# Altium PCB roach2.PcbDoc (part 29 of 39)
Units mil, origin at the board's own origin, x right, y up, seen from the top; angles counter-clockwise.
Board outline 12007.87 x 9606.3 mil, 16 copper layers (L1_TOP, L2_G, L3_S, L4_G, L5_S, L6_P, L7_G, L8_R, L9_R, L10_P, L11_P, L12_S, L13_P, L14_S, L15_G, L16_BOT), stack 81.651 mil thick; 1568 components, 1918 nets, 9251 pads, 6741 vias.
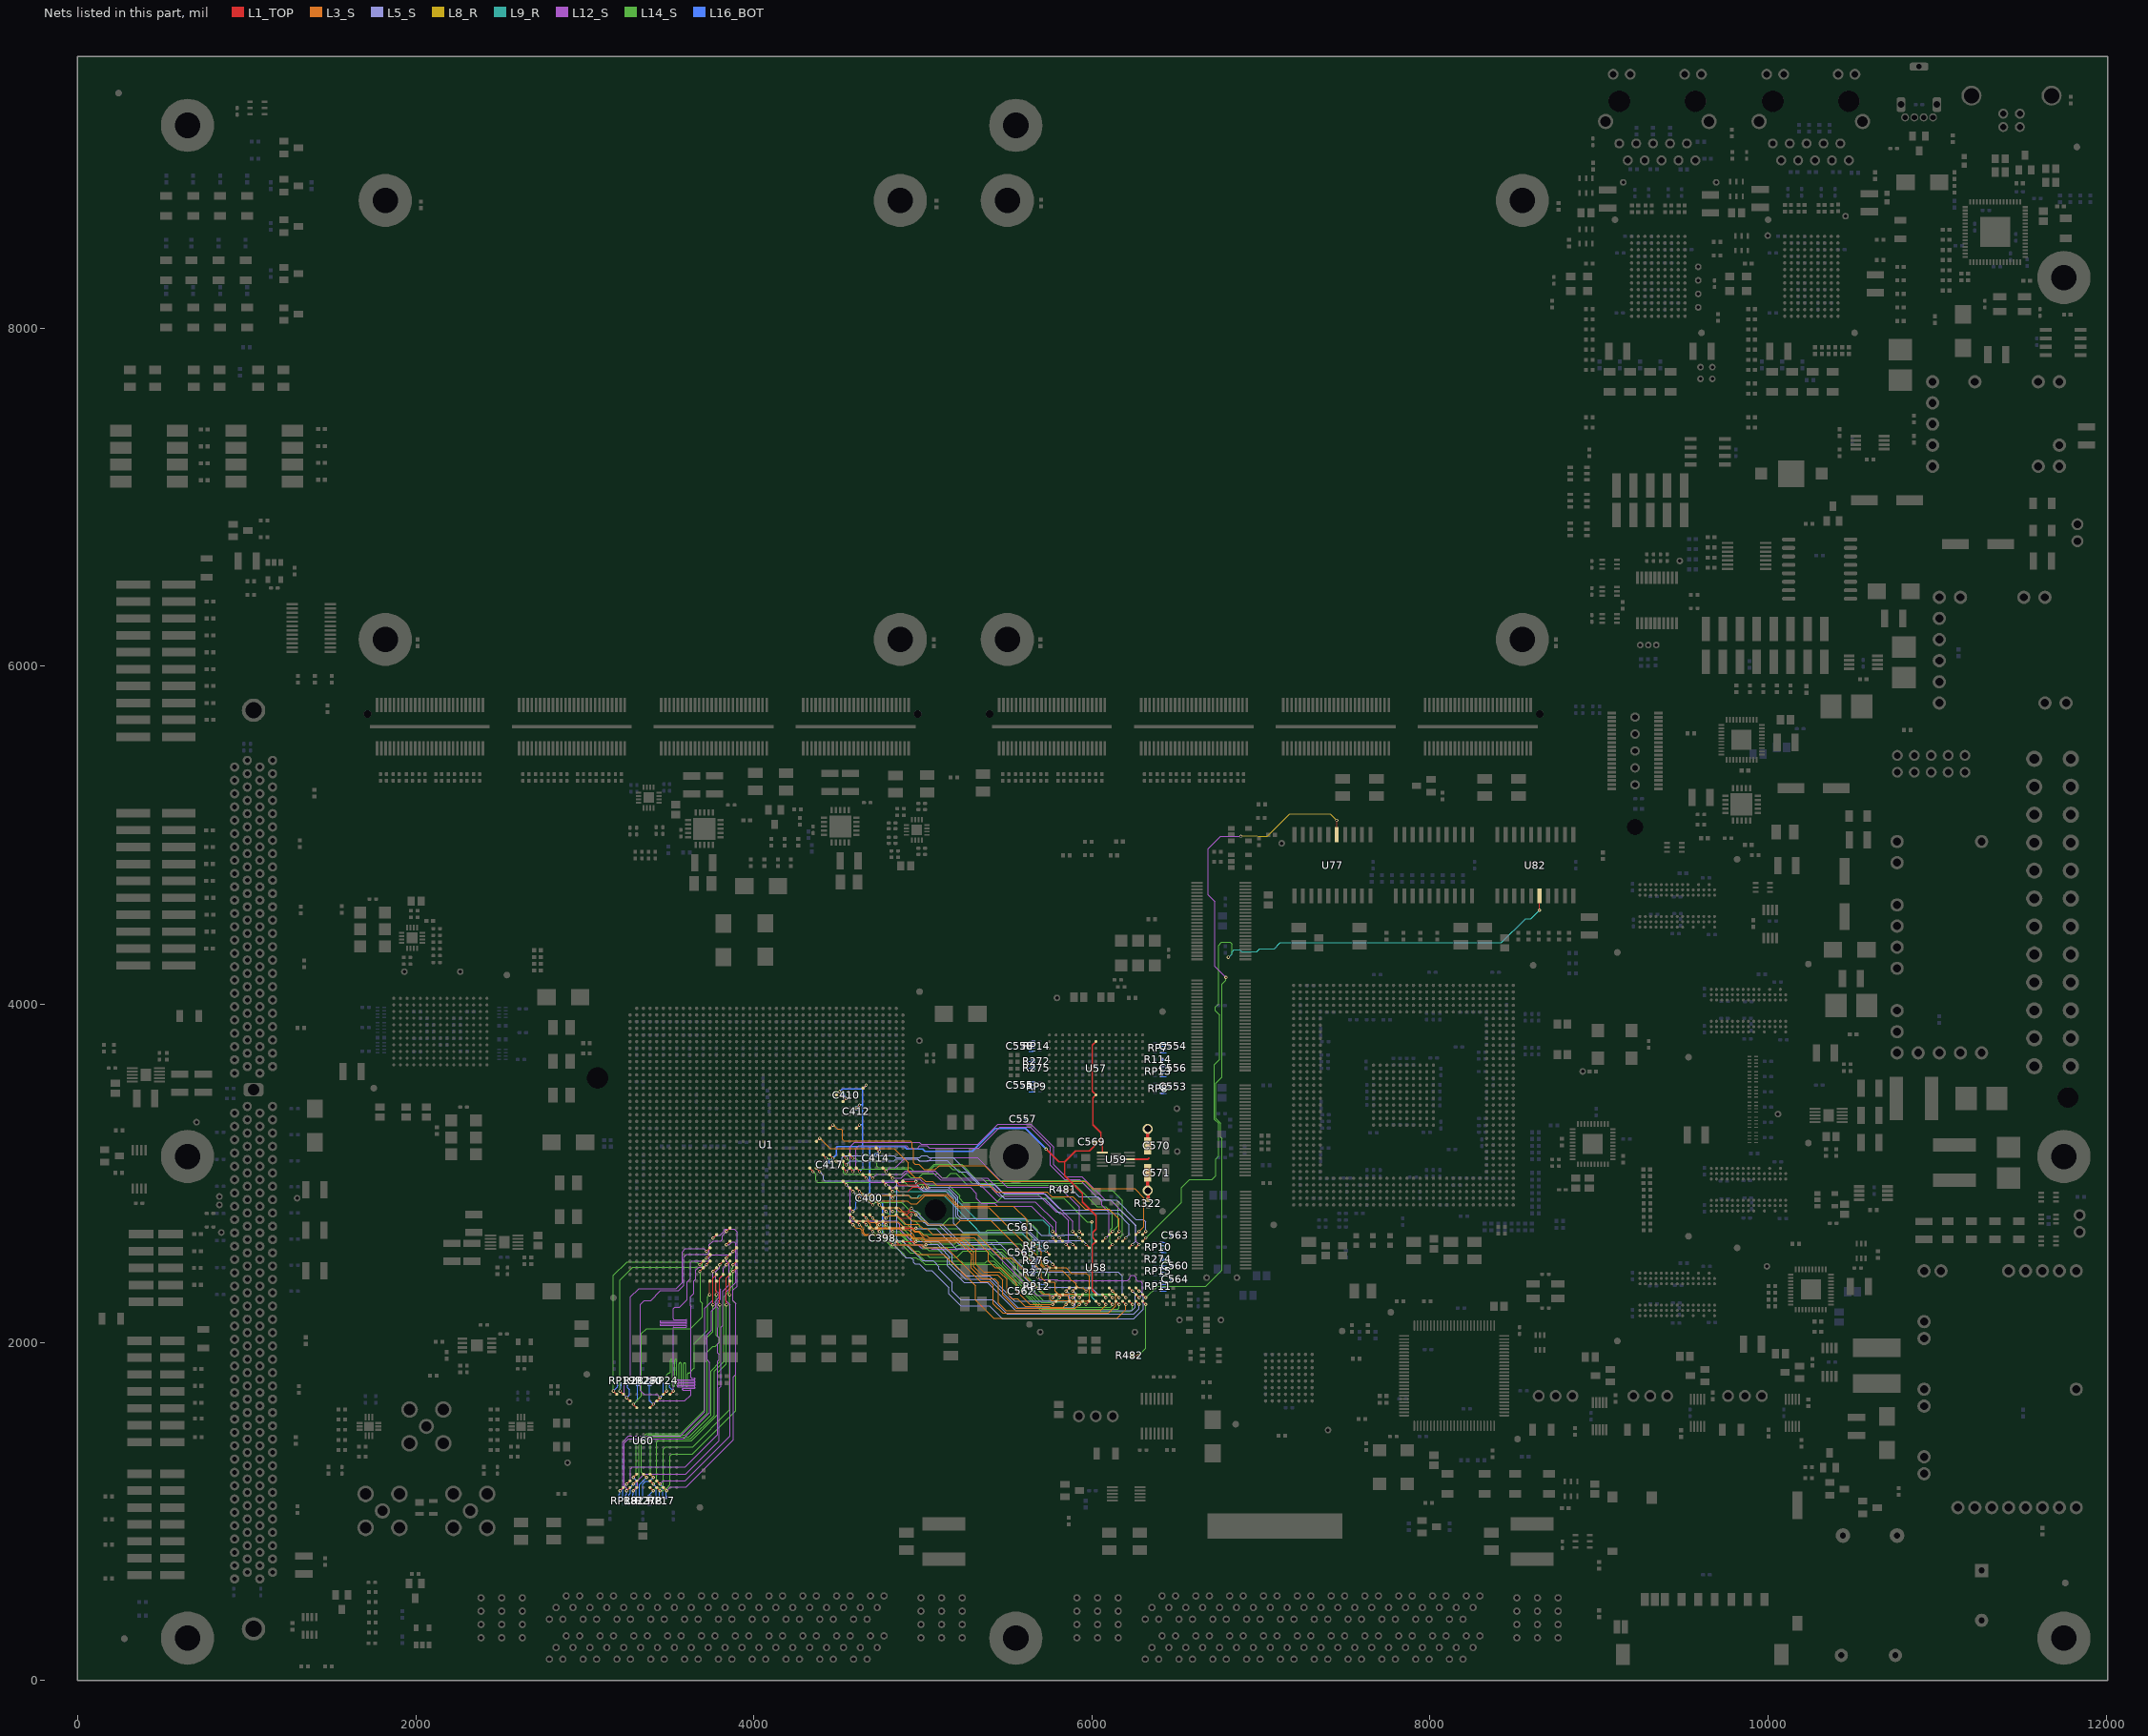
[diagram p43: the nets of this part, all layers, seen from the top]

## Via types
v1: diameter 19.4, hole 10, L1_TOP to L16_BOT, tented both sides, 3354 vias
v2: diameter 19.4, hole 10, L1_TOP to L16_BOT, 1954 vias
v3: diameter 19.4, hole 10, L1_TOP to L16_BOT, tented top, 429 vias
v4: diameter 18.6, hole 10, L1_TOP to L16_BOT, tented both sides, 311 vias
v5: diameter 59.06, hole 39.37, L1_TOP to L16_BOT, 217 vias
v6: diameter 19.4, hole 10.04, L1_TOP to L16_BOT, 125 vias
v7: diameter 19, hole 10, L1_TOP to L16_BOT, 93 vias
v8: diameter 19.4, hole 10, L1_TOP to L16_BOT, tented bottom, 80 vias
v9: diameter 25.98, hole 12.99, L1_TOP to L16_BOT, tented top, 55 vias
v10: diameter 20, hole 10, L1_TOP to L16_BOT, 53 vias
v11: diameter 59.06, hole 39.37, L1_TOP to L16_BOT, tented top, 44 vias
v12: diameter 20, hole 10, L1_TOP to L16_BOT, tented top, 16 vias
v13: diameter 19, hole 10, L1_TOP to L16_BOT, tented top, 5 vias
v14: diameter 25.98, hole 12.99, L1_TOP to L16_BOT, 4 vias
v15: diameter 50, hole 28, L1_TOP to L16_BOT, 1 vias

## Nets (pads, with @x,y where several pads share a name; then routed paths per layer and width w, separated by ;. In a path a pad name is that pad's centre, name@x,y a point inside that pad or via, vN(x,y) a via of type N, cw(c..) or ccw(c..) an arc to the next point about the centre after c; other vN are vias at no path point) (continued)
QDR1.D28: U1.G32 U58.D1 | length 1567
  L1_TOP w5: U1.G32@4644.77,2754.37 v1(4664.46,2734.68) ; v1(5846.46,2224.41) U58.D1@5866.14,2244.09
  L3_S w3.8: v1(4664.46,2734.68) 4688.23,2710.91 4716.57,2710.91 4727.6,2699.88 4727.6,2688.85 4736.74,2679.71 4869.27,2679.71 4873.35,2675.63 4926.64,2675.63 4950.04,2652.23 4973.22,2652.23 5013.05,2612.4 5247.58,2612.4 5314.99,2544.99 5314.99,2460.99 5358.99,2416.99 5452.99,2416.99 5496.99,2372.99 5496.99,2288.99 5526.99,2258.99 5559.91,2258.99 5606.3,2212.6 5748.03,2212.6 5751.97,2208.66 5830.71,2208.66 v1(5846.46,2224.41)
QDR1.D29: U1.K27 U58.E2 | length 1793.6
  L1_TOP w5: U1.K27@4526.66,2951.22 v1(4546.35,2931.53) ; v1(5885.83,2263.78) U58.E2@5905.51,2283.46
  L12_S w3.8: v1(4546.35,2931.53) 4570.12,2907.76 4570.12,2728.22 4579.35,2718.99 4839.49,2718.99 4862.49,2695.99 4862.49,2667.49 4952.49,2577.49 4970.99,2577.49 4986.88,2561.6 5042.38,2561.6 5052.8,2551.18 5401.57,2551.18 5673.38,2279.38 5852.92,2279.38 5868.52,2263.78 v1(5885.83,2263.78)
QDR1.D30: U1.G33 U58.G1 | length 1593.1
  L1_TOP w5: U1.G33@4644.77,2715 v1(4664.46,2695.31) ; v1(5964.57,2224.41) U58.G1@5984.25,2244.09
  L14_S w3.8: v1@4665.36,2696.85 4665.68,2696.53 4687.71,2674.49 4747.97,2674.49 4766.97,2655.49 4766.97,2649.48 4776.11,2640.34 4828.4,2640.34 4829.05,2640.99 4863.96,2640.99 4931.83,2573.12 4975.33,2573.12 4995.02,2553.43 5025.25,2553.43 5035.37,2543.31 5200.79,2543.31 5212.6,2555.12 5377.95,2555.12 5413.39,2519.68 5460.63,2519.68 5472.44,2507.87 5472.44,2464.57 5700.79,2236.22 5755.91,2236.22 5759.84,2240.16 5948.82,2240.16 5952.76,2236.22 v1(5964.57,2224.41)
QDR1.D31: U1.H33 U58.J1 | length 1873.7
  L1_TOP w5: U1.H33@4605.4,2715 v1(4625.09,2695.31) ; U58.J1@6062.99,2244.09 v1(6082.68,2224.41)
  L3_S w3.8: v1(4625.09,2695.31) 4648.86,2671.54 4648.86,2649.48 4658,2640.34 4922.56,2640.34 4950.41,2612.49 4985.49,2612.49 5003.64,2594.34 5213.75,2594.34 5288.42,2519.67 5288.42,2488.9 5286.99,2487.47 5286.99,2438.99 5348.99,2376.99 5424.99,2376.99 5446.99,2354.99 5446.99,2232.99 5491.01,2188.98 6051.18,2188.98 6082.68,2220.47 v1(6082.68,2224.41)
QDR1.D32: U1.E33 U58.K2 | length 1637.2
  L1_TOP w5: U1.E33@4723.51,2715 v1(4743.2,2695.31) ; U58.K2@6102.36,2283.46 v1(6122.05,2263.78)
  L14_S w3.8: v1(4743.2,2695.31) 4760.51,2695.31 4783.91,2671.91 4860.57,2671.91 4919.62,2612.86 4958.49,2612.86 4958.86,2612.49 4966.19,2612.49 4982.19,2596.49 5036.49,2596.49 5050.31,2582.68 5188.98,2582.68 5196.85,2590.55 5397.64,2590.55 5437.01,2551.18 5469.8,2551.18 5562.99,2457.99 5562.99,2429.13 5712.6,2279.53 6106.3,2279.53 v1(6122.05,2263.78) ; v1@4744.1,2696.85 v1@4744.42,2696.53
QDR1.D33: U1.C36 U58.M1 | length 1718
  L1_TOP w5: U1.C36@4802.25,2596.89 v1(4821.94,2577.2) ; U58.M1@6181.1,2244.09 v1(6200.79,2224.41)
  L3_S w3.8: v1(4821.94,2577.2) 4911.28,2577.2 4966.25,2522.23 5123.75,2522.23 5310.99,2334.99 5310.99,2248.99 5418.25,2141.73 6149.61,2141.73 6200.79,2192.91 v1(6200.79,2224.41)
QDR1.D34: U1.F34 U58.N1 | length 1832.8
  L1_TOP w5: U1.F34@4684.14,2675.63 v1(4703.83,2655.94) ; U58.N1@6220.47,2244.09 v1(6240.16,2224.41)
  L14_S w3.8: v1@4704.73,2657.48 4704.73,2655.94 4721.68,2638.99 4742.99,2638.99 4765.49,2616.49 4765.49,2611.59 4776.11,2600.97 4780.86,2600.97 4806.34,2575.5 4806.34,2570.74 4815.48,2561.6 4847.46,2561.6 4891.08,2517.99 4891.08,2511.69 4900.21,2502.55 4960.46,2502.55 4969.01,2493.99 4977.99,2493.99 5011.35,2460.63 5423.35,2460.63 5702.88,2181.1 6224.41,2181.1 6240.16,2196.85 v1(6240.16,2224.41)
QDR1.D35: U1.D31 U58.P2 | length 1978.5
  L1_TOP w5: U1.D31@4762.88,2793.74 v1(4782.57,2774.05) ; U58.P2@6260.16,2283.46 v1(6279.84,2263.78)
  L12_S w3.8: v1(5680,2384) 5692,2372 5794.91,2372 5800.62,2366.29 6212.29,2366.29 6224.56,2378.56 6224.56,2388.35 6233.7,2397.49 6246.62,2397.49 6255.76,2388.35 6255.76,2388.24 6262,2382 6262,2372 6270,2364 6286,2364 6300,2350 6300,2283.94 v1(6279.84,2263.78)
  L14_S w3.8: v1(4782.57,2774.05) 4804.62,2752 4838.51,2752 4891.11,2699.4 4908.6,2699.4 4947.97,2660.03 4981.97,2660.03 5002,2640 5590,2640 5630,2600 5630,2470 5680,2420 v1(5680,2384) ; v1@4783.47,2775.59 v1@4783.79,2775.27
QDR1.DOFFN: U1.R25 U58.H1 | length 2415.5
  L1_TOP w5: U1.R25@4329.81,3029.96 v1(4349.5,3010.27) ; U58.H1@6023.62,2244.09 v1(6043.31,2224.41)
  L9_R w3.8: v2(6000,2712.6) 6000,2267.72 v1(6043.31,2224.41)
  L14_S w3.8: v1@4350.39,3011.81 4350.71,3011.49 4366.99,2995.21 4366.99,2956.99 4376.48,2947.5 4895.48,2947.5 4917.99,2924.99 4971.49,2924.99 4980.99,2934.49 4991.81,2934.49 4992.64,2935.32 5033.12,2935.32 5037.45,2930.99 5152.99,2930.99 5217.56,2866.42 5217.56,2850.33 5238.9,2828.99 5436.99,2828.99 5484.99,2876.99 5678.99,2876.99 5702.99,2852.99 5832.05,2852.99 5972.44,2712.6 v2(6000,2712.6)
QDR1.K: U1.B31 U58.B6 | length 1386
  L1_TOP w5: U1.B31@4841.62,2793.74 4861.31,2774.05 4912.49,2774.05 v2(4932.17,2793.74) ; v1(5767.72,2460.63) U58.B6@5787.4,2440.94
  L5_S w3.8: v2(4932.17,2793.74) 4949.42,2776.49 4959.67,2776.49 4975.33,2760.83 4975.33,2756.67 5031.29,2700.71 5110.31,2700.71 5220.47,2590.55 5527.56,2590.55 5633.86,2484.25 5638.26,2484.25 5642.66,2484.25 cw(c5642.66,2479.85) 5647.06,2479.85 5647.06,2434.61 ccw(c5651.46,2434.61) 5651.46,2430.21 ccw(c5651.46,2434.61) 5655.86,2434.61 5655.86,2484.25 5655.86,2498.68 cw(c5660.26,2498.68) 5660.26,2503.08 cw(c5660.26,2498.68) 5664.66,2498.68 5664.66,2484.25 5664.66,2434.61 ccw(c5669.06,2434.61) 5669.06,2430.21 ccw(c5669.06,2434.61) 5673.46,2434.61 5673.46,2484.25 5673.46,2498.68 cw(c5677.86,2498.68) 5677.86,2503.08 cw(c5677.86,2498.68) 5682.26,2498.68 5682.26,2488.65 ccw(c5686.66,2488.65) 5686.66,2484.25 5728,2484.25 5748.03,2484.25 5767.72,2464.57 v1(5767.72,2460.63) ; v2@4933.07,2795.28 v2@4933.39,2794.96
QDR1.KN: U1.F30 U58.A6 | length 1386.1
  L1_TOP w5: U1.F30@4684.14,2833.11 v1(4703.83,2813.42) ; v1(5728.35,2460.63) U58.A6@5748.03,2440.94
  L14_S w3.8: v1(4703.83,2813.42) 4719.43,2829.02 4874.46,2829.02 4927.89,2775.59 4968.5,2775.59 4984.25,2759.84 4984.25,2739.75 5031.09,2692.91 5114.17,2692.91 5157.48,2736.22 5606.3,2736.22 5677.17,2665.35 5677.17,2496.06 5712.6,2460.63 v1(5728.35,2460.63)
QDR1.Q0: U1.M19 U58.P11 | length 2396.5
  L1_TOP w5: U1.M19@4447.92,3266.18 4449.14,3267.4 v1(4467.61,3285.87) ; U58.P11@6259.84,2637.8 v1(6279.53,2657.48)
  L3_S w3.8: v1@4468.5,3287.4 4468.82,3287.08 4493.06,3262.84 4515.13,3262.84 4523.99,3253.98 4523.99,3201.49 4533.96,3191.53 4789.03,3191.53 4789.35,3191.2 4925.78,3191.2 4936.33,3180.65 4936.33,3151.62 4944.13,3143.82 4944.13,3062.87 4953.27,3053.73 4974.75,3053.73 5006.99,3021.49 5072.49,3021.49 5095.92,3044.92 5365.07,3044.92 5457.78,2952.2 5833.78,2952.2 5834.99,2950.99 5962.39,2950.99 6004.73,2908.66 6252.76,2908.66 6307.09,2854.33 6307.09,2685.04 v1(6279.53,2657.48)
QDR1.Q1: U1.K24 U58.M10 | length 1993.8
  L1_TOP w5: U1.K24@4526.66,3069.33 v1(4546.35,3049.64) ; U58.M10@6181.1,2598.43 v1(6200.79,2618.11)
  L5_S w3.8: v1(4546.35,3049.64) 4570.12,3073.41 4828.4,3073.41 4839.92,3084.93 4966.19,3084.93 4977.71,3073.42 5025.25,3073.42 5027.35,3075.52 5144.96,3075.52 5145.67,3074.8 5212.67,3007.8 5255.2,3007.8 5341.74,2921.26 5413.39,2921.26 5484.25,2850.39 5720.47,2850.39 5807.09,2763.78 6153.54,2763.78 6220.47,2696.85 6220.47,2637.8 6212.6,2629.92 v1(6200.79,2618.11)
QDR1.Q2: U1.P21 U58.L11 | length 2125.1
  L1_TOP w5: U1.P21@4369.18,3187.44 4370.4,3188.66 v1(4388.87,3207.13) ; U58.L11@6141.73,2637.8 v1(6161.42,2657.48)
  L3_S w3.8: v1@4389.76,3208.66 4390.08,3208.34 4451.43,3146.99 4828.99,3146.99 4864.99,3110.99 ; 4864.99,3110.96 4912.93,3063.02 4912.93,3015.33 4953.27,2974.99 4990.99,2974.99 5014.49,2951.49 5058.49,2951.49 5078.99,2930.99 5392.99,2930.99 5432.99,2890.99 5734.99,2890.99 5763.78,2862.2 5885.83,2862.2 5960.63,2787.4 6102.36,2787.4 6161.42,2728.35 v1(6161.42,2657.48)
QDR1.Q3: U1.K23 U58.K11 | length 1986.1
  L1_TOP w5: U1.K23@4526.66,3108.7 v1(4546.35,3089.01) ; U58.K11@6102.36,2637.8 v1(6122.05,2657.48)
  L14_S w3.8: v1@4547.24,3090.55 4566.99,3070.8 4566.99,3046.31 4587.31,3025.99 4860.99,3025.99 4861.24,3026.24 4903.49,3026.24 4923.18,3006.56 5029.59,3006.56 5067.95,3044.92 5153.07,3044.92 5174.99,3022.99 5208.99,3022.99 5291.98,2940 5949.76,2940 6043.31,2846.46 6110.24,2846.46 6153.54,2803.15 6153.54,2688.98 v1(6122.05,2657.48)
QDR1.Q4: U1.J25 U58.J10 | length 2214.4
  L1_TOP w5: U1.J25@4566.03,3029.96 v1(4585.72,3010.27) ; U58.J10@6062.99,2598.43 v1(6082.68,2618.11)
  L12_S w3.8: v1(4585.72,3010.27) 4603.49,3028.05 4603.49,3146.49 4619.99,3162.99 4901.99,3162.99 4916.77,3148.22 4966.19,3148.22 4981.65,3163.67 5025.25,3163.67 5039.31,3149.61 5330.71,3149.61 5454.1,3273 5636,3273 5755,3154 5755,3049 5839.43,2964.57 5925.07,2964.57 6059.06,2830.58 6059.06,2811.02 6102.36,2767.72 6102.36,2637.8 v1(6082.68,2618.11)
QDR1.Q5: U1.D25 U58.F11 | length 1506.8
  L1_TOP w5: U1.D25@4762.88,3029.96 v1(4782.57,3010.27) ; v1(5925.2,2657.48) U58.F11@5944.88,2637.8
  L12_S w3.8: v1(4782.57,3010.27) 4806.34,3034.04 4838.04,3034.04 4888.93,3084.93 4966.19,3084.93 4977.71,3073.42 5034.39,3073.42 5055.46,3094.49 5322.83,3094.49 5498.66,2918.66 5805.75,2918.66 5925.2,2799.21 v1(5925.2,2657.48)
QDR1.Q6: U1.F26 U58.E11 | length 1438.1
  L1_TOP w5: U1.F26@4684.14,2990.59 v1(4703.83,2970.9) ; v1(5885.83,2657.48) U58.E11@5905.51,2637.8
  L12_S w3.8: v1(4703.83,2970.9) 4727.6,2994.67 4876.91,2994.67 4896.59,3014.36 5071.01,3014.36 5112.92,2972.45 5325.49,2972.45 5381.89,2972.44 5468.5,2885.83 5712.6,2885.83 5803.15,2795.28 5807.09,2795.28 5885.83,2716.54 v1(5885.83,2657.48)
QDR1.Q7: U1.G26 U58.C10 | length 1402
  L1_TOP w5: U1.G26@4644.77,2990.59 v1(4664.46,2970.9) ; v1(5807.09,2618.11) U58.C10@5826.77,2598.43
  L12_S w3.8: v1(4664.46,2970.9) 4687.86,2947.5 4870.07,2947.5 4889.38,2966.82 4981.66,2966.82 5011.48,2937.01 5334.65,2937.01 5440.94,2830.71 5665.35,2830.71 5787.4,2708.66 5787.4,2637.8 v1(5807.09,2618.11)
QDR1.Q8: U1.D27 U58.B11 | length 1203.6
  L1_TOP w5: U1.D27@4762.88,2951.22 v1(4782.57,2931.53) ; v1(5767.72,2657.48) U58.B11@5787.4,2637.8
  L12_S w3.8: v1(4782.57,2931.53) 4795.98,2931.53 4811.58,2915.93 4828.4,2915.93 4839.92,2927.45 4962.53,2927.45 4985.86,2904.12 5033.12,2904.12 5046.32,2917.32 5279.53,2917.32 5315.84,2881.01 ; 5317.56,2879.67 5317.56,2850.33 5345.06,2822.83 5425.2,2822.83 5440.94,2807.09 5641.73,2807.09 5767.72,2681.1 v1(5767.72,2657.48)
QDR1.Q9: U1.K25 U58.P9 | length 2399
  L1_TOP w5: U1.K25@4526.66,3029.96 v1(4546.35,3010.27) ; U58.P9@6259.84,2559.05 v1(6279.53,2578.74)
  L12_S w3.8: v1(4546.35,3010.27) 4570.12,3034.05 4570.12,3158.62 4593.99,3182.49 4979.99,3182.49 4990.64,3171.84 5325.62,3171.84 5443.78,3290 5638,3290 5774,3154 5774,3050 5843.69,2980.31 5940.94,2980.31 6063.93,2857.33 6063.93,2856.53 6077.94,2842.52 6110.24,2842.52 6259.84,2692.91 6259.84,2598.43 6267.71,2590.55 ; 6268.5,2589.77 6267.71,2590.55 ; v1(6279.53,2578.74) 6267.71,2590.55
QDR1.Q10: U1.L24 U58.N9 | length 2148.9
  L1_TOP w5: U1.L24@4487.29,3069.33 v1(4506.98,3049.64) ; U58.N9@6220.47,2559.05 v1(6240.16,2578.74)
  L5_S w3.8: v1(4506.98,3049.64) 4506.98,3066.95 4522.58,3082.55 4522.58,3094.58 4532.98,3104.98 4819.49,3104.98 4819.86,3104.61 4828.4,3104.61 4839.91,3093.1 4981.16,3093.1 4992.68,3104.62 5025.25,3104.62 5035.38,3094.49 5179.54,3094.49 5339.77,2934.26 5424.01,2934.26 5480.31,2877.95 5724.41,2877.95 5818.9,2783.46 6165.35,2783.46 6259.84,2688.98 6259.84,2598.43 6251.97,2590.55 v1(6240.16,2578.74)
QDR1.Q11: U1.J23 U58.L10 | length 2027
  L1_TOP w5: U1.J23@4566.03,3108.7 v1(4585.72,3089.01) ; U58.L10@6141.73,2598.43 v1(6161.42,2618.11)
  L14_S w3.8: v1(4585.72,3089.01) 4603.03,3089.01 4618.63,3073.41 4717.07,3073.41 4727.6,3062.89 4727.6,3043.18 4736.74,3034.04 4925.94,3034.04 4945.62,3014.36 5026.36,3014.36 5064.99,3052.99 5228.99,3052.99 5309.54,2972.45 5345.66,2972.45 5361.1,2957 5952.45,2957 6011.81,2897.64 6122.05,2897.64 6181.1,2838.58 6181.1,2637.8 v1(6161.42,2618.11)
QDR1.Q12: U1.N23 U58.K9 | length 2157.5
  L1_TOP w5: U1.N23@4408.55,3108.7 v1(4428.24,3089.01) ; U58.K9@6102.36,2559.05 v1(6122.05,2578.74)
  L14_S w3.8: v1(4428.24,3089.01) 4445.54,3089.01 4461.14,3073.41 4520.57,3073.41 4530.75,3063.24 4530.75,3003.81 4539.88,2994.67 4908.81,2994.67 4928.49,2974.99 4975.49,2974.99 4999.26,2998.76 5086.15,2998.76 5086.38,2998.99 5111.31,2974.06 5140.66,2974.06 5165.59,2998.99 5194.99,2998.99 5263.98,2930 5904.65,2930 6031.5,2803.15 6082.68,2803.15 6122.05,2763.78 6122.05,2679.54 6106.45,2663.94 6106.45,2594.34 v1(6122.05,2578.74)
QDR1.Q13: U1.B28 U58.G9 | length 1378.2
  L1_TOP w5: U1.B28@4841.62,2911.85 4861.31,2892.16 4912.49,2892.16 4940.05,2919.72 v2(4999.1,2919.72) ; v1(5964.57,2578.74) U58.G9@5984.25,2559.05
  L5_S w3.8: v2@5000,2921.26 5000.32,2920.94 5017.17,2904.09 5147.09,2904.09 5150.75,2900.43 5196.85,2854.33 5196.85,2744.09 5220.47,2720.47 5566.93,2720.47 5684.89,2602.51 5944.73,2602.51 5964.57,2582.68 v1(5964.57,2578.74)
QDR1.Q14: U1.B27 U58.F10 | length 1324.8
  L1_TOP w5: U1.B27@4841.62,2951.22 4861.31,2931.53 4962.96,2931.53 4975.24,2943.82 5002.57,2943.82 v2(5026.66,2919.72) ; v1(5925.2,2618.11) U58.F10@5944.88,2598.43
  L5_S w3.8: v2@5027.56,2921.26 5027.88,2920.94 5030.83,2917.99 5148.94,2917.99 5208.66,2858.27 5208.66,2751.97 5228.35,2732.28 5602.36,2732.28 5700.71,2633.93 5837.88,2633.93 5841.74,2637.8 5905.51,2637.8 v1(5925.2,2618.11)
QDR1.Q15: U1.A27 U58.E9 | length 1283.4
  L1_TOP w5: U1.A27@4880.99,2951.22 4881.89,2951.22 v2(4959.73,2951.22) ; v1(5885.83,2578.74) U58.E9@5905.51,2559.05
  L5_S w3.8: v2(4959.73,2951.22) 4959.73,2937.03 5000.47,2896.29 5135.2,2896.29 5181.1,2850.39 5181.1,2703.94 5235.47,2649.57 5452.72,2649.57 5622.08,2649.57 5676.94,2594.71 5873.79,2594.71 5885.83,2582.68 v1(5885.83,2578.74)
QDR1.Q16: U1.C26 U58.D9 | length 1380.9
  L1_TOP w5: U1.C26@4802.25,2990.59 v1(4821.94,2970.9) ; v1(5846.46,2578.74) U58.D9@5866.14,2559.05
  L12_S w3.8: v1@4826.55,2976.16 4822.84,2972.44 4872.94,2972.44 4906.69,3006.19 5058.79,3006.19 5104.35,2960.63 5358.27,2960.63 5452.76,2866.14 5692.91,2866.14 5787.4,2771.65 5811.02,2771.65 5862.2,2720.47 5862.2,2594.49 v1(5846.46,2578.74)
QDR1.Q17: U1.C28 U58.B10 | length 1142.4
  L1_TOP w5: U1.C28@4802.25,2911.85 v1(4821.94,2892.16) ; v1(5767.72,2618.11) U58.B10@5787.4,2598.43
  L9_R w3.8: v1@4822.84,2893.7 5149.61,2893.7 5318.9,2724.41 5708.66,2724.41 5748.03,2685.04 5748.03,2645.67 5755.91,2637.8 5755.91,2629.92 v1(5767.72,2618.11)
QDR1.Q18: U1.H28 U58.B2 | length 2127.8
  L1_TOP w5: U1.H28@4605.4,2911.85 v1(4625.09,2892.16) ; v1(5767.72,2263.78) U58.B2@5787.4,2283.46
  L3_S w3.8: v1@4625.99,2893.7 4649.76,2869.93 4914.05,2869.93 4928.99,2854.99 4982.99,2854.99 5005,2877 5144,2877 5214.01,2806.99 5534.99,2806.99 5614.99,2726.99 5614.99,2621.23 5700.79,2535.43 5700.79,2464.57 5724.41,2440.94 5846.46,2440.94 5877.95,2409.45 5964.57,2409.45 5984.25,2389.76 5984.25,2255.91 5972.44,2244.09 5877.95,2244.09 5862.2,2259.84 5862.2,2271.65 5854.33,2279.53 5783.47,2279.53 v1(5767.72,2263.78)
QDR1.Q19: U1.A36 U58.D3 | length 1247.1
  L1_TOP w5: U1.A36@4880.99,2596.89 4881.89,2596.89 v2(4959.73,2596.89) ; v1(5846.46,2303.15) U58.D3@5866.14,2322.83
  L5_S w3.8: v2(4959.73,2596.89) 5092.09,2596.89 5173.23,2515.75 5173.23,2476.38 5255.91,2393.7 5393.7,2393.7 5543.31,2244.09 5858.27,2244.09 5866.14,2251.97 5866.14,2287.4 5850.4,2303.15 v1(5846.46,2303.15)
QDR1.Q20: U1.B36 U58.E3 | length 1376.9
  L1_TOP w5: U1.B36@4841.62,2596.89 4861.31,2577.2 v2(5018.79,2577.2) ; v1(5885.83,2303.15) U58.E3@5905.51,2322.83
  L5_S w3.8: v2@5020,2578.42 5019.68,2578.74 5086.62,2578.74 5106.3,2559.06 5157.48,2507.87 5157.48,2468.5 5251.97,2374.02 5385.81,2374.02 ; 5389.76,2374.02 5385.81,2374.02 ; v1(5885.83,2303.15) 5889.77,2303.15 5901.57,2291.34 5901.57,2218.1 5888.2,2204.72 5562.99,2204.72 5393.7,2374.02 5385.81,2374.02
QDR1.Q21: U1.E30 U58.F2 | length 1536.6
  L1_TOP w5: U1.E30@4723.51,2833.11 v1(4743.2,2813.42) ; v1(5925.2,2263.78) U58.F2@5944.88,2283.46
  L3_S w3.8: v1(4743.2,2813.42) 4758.8,2797.82 4858.18,2797.82 4922,2734 4937.29,2718.71 5012.73,2718.71 5035.44,2696 5195,2696 5221,2722 5400.98,2722 5700.79,2422.2 5700.79,2382.99 5725.66,2358.12 5774.18,2358.12 5783.32,2348.98 5783.32,2303.3 5799.07,2287.55 5901.43,2287.55 v1(5925.2,2263.78)
QDR1.Q22: U1.G29 U58.G3 | length 1649.4
  L1_TOP w5: U1.G29@4644.77,2872.48 v1(4664.46,2852.79) ; v1(5964.57,2303.15) U58.G3@5984.25,2322.83
  L3_S w3.8: v1(4664.46,2852.79) 4680.06,2837.19 4908.79,2837.19 4927.13,2818.86 4964.3,2818.86 5012.44,2867 5136,2867 5206.01,2796.99 5389.99,2796.99 5688.98,2498.01 5688.98,2464.57 5728.35,2425.2 5825.21,2425.2 5870.23,2380.18 5870.23,2375.43 5879.36,2366.29 5884.12,2366.29 5905.51,2344.89 5905.51,2338.58 5921.26,2322.83 5944.88,2322.83 v1(5964.57,2303.15)
QDR1.Q23: U1.J33 U58.K3 | length 2023.3
  L1_TOP w5: U1.J33@4566.03,2715 v1(4585.72,2695.31) ; U58.K3@6102.36,2322.83 v1(6122.05,2303.15)
  L3_S w3.8: v1(4585.72,2695.31) 4604.04,2676.99 4626.1,2676.99 4640.69,2662.41 4640.69,2646.62 4654.77,2632.54 4919.32,2632.54 4944.13,2607.74 4944.13,2590.43 4953.27,2581.29 4983.5,2581.29 5003.19,2561.6 5140.38,2561.6 5340.99,2360.99 5392.99,2360.99 5416.99,2336.99 5416.99,2228.99 5472.76,2173.23 6098.43,2173.23 6141.73,2216.54 6141.73,2283.46 v1(6122.05,2303.15)
QDR1.Q24: U1.D33 U58.L2 | length 1701.2
  L1_TOP w5: U1.D33@4762.88,2715 v1(4782.57,2695.31) ; U58.L2@6141.73,2283.46 v1(6161.42,2263.78)
  L14_S w3.8: v1(4782.57,2695.31) 4798.17,2679.71 4877.27,2679.71 4936.32,2620.66 4966.19,2620.66 4966.53,2620.99 4986.99,2620.99 5001.68,2606.3 5429.13,2606.3 5452.76,2582.68 5574.8,2582.68 5590.55,2566.93 5590.55,2417.32 5720.47,2287.4 6137.8,2287.4 6149.61,2275.59 v1(6161.42,2263.78)
QDR1.Q25: U1.B32 U58.N3 | length 1924.7
  L1_TOP w5: U1.B32@4841.46,2754.53 4841.62,2754.37 4861.14,2734.85 4924.31,2734.85 4932.17,2742.71 v2(4932.17,2754.37) ; U58.N3@6220.47,2322.83 v1(6240.16,2303.15)
  L5_S w3.8: v2(4932.17,2754.37) 4932.17,2602.39 4953.27,2581.29 4990.19,2581.29 5009.88,2561.6 5080.13,2561.6 5098.43,2543.31 5145.67,2496.06 5145.67,2452.76 5244.09,2354.33 5381.89,2354.33 5547.24,2188.98 6236.22,2188.98 6255.91,2208.66 6255.91,2287.4 v1(6240.16,2303.15) ; v2@4933.07,2754.37 v2@4933.07,2755.91
QDR1.Q26: U1.J28 U58.P3 | length 2419.9
  L1_TOP w5: U1.J28@4566.03,2911.85 v1(4585.72,2892.16) ; U58.P3@6259.84,2322.83 v1(6279.53,2303.15)
  L5_S w3.8: v1(4585.72,2892.16) 4601.32,2876.56 4785.99,2876.56 4787.06,2875.49 4797.49,2875.49 4806.34,2866.65 4806.34,2610.11 4815.48,2600.97 4825.51,2600.97 4837.54,2588.95 4837.54,2565.22 4900.21,2502.55 4928.94,2502.55 4944.13,2487.35 4944.13,2472.32 4953.27,2463.18 4979.31,2463.18 5017.29,2425.2 5051.18,2425.2 5153.62,2322.76 5153.62,2287.33 5224.41,2216.54 5393.7,2216.54 5469.19,2141.05 6247.34,2141.05 6303.15,2196.85 6303.15,2283.46 6283.47,2303.15 v1(6279.53,2303.15) ; v1@4586.62,2893.7 v1@4586.94,2893.38
QDR1.Q27: U1.F32 U58.B1 | length 1388.2
  L1_TOP w5: U1.F32@4684.14,2754.37 v1(4703.83,2734.68) ; v1(5767.72,2224.41) U58.B1@5787.4,2244.09
  L3_S w3.8: v1(4703.83,2734.68) 4727.23,2711.28 4855.49,2711.28 4883.35,2683.43 4929.87,2683.43 4953.27,2660.03 4976.45,2660.03 5003.94,2632.54 5022.02,2632.54 5034.36,2620.2 5301.78,2620.2 5388.99,2532.99 5388.99,2480.99 5426.99,2442.99 5460.99,2442.99 5554.99,2348.99 5554.99,2303.28 5633.86,2224.41 v1(5767.72,2224.41)
QDR1.Q28: U1.C34 U58.C2 | length 1250.3
  L1_TOP w5: U1.C34@4802.25,2675.63 v1(4821.94,2655.94) ; v1(5807.09,2263.78) U58.C2@5826.77,2283.46
  L14_S w3.8: v1(4821.94,2655.94) 4860.04,2655.94 4934.69,2581.29 4992.64,2581.29 5012.32,2561.6 5065.54,2561.6 5066.93,2562.99 5192.91,2562.99 5204.72,2574.8 5381.89,2574.8 5421.26,2535.43 5464.55,2535.43 5543.31,2456.68 5543.31,2417.32 5712.6,2248.03 5791.34,2248.03 5795.28,2251.97 v1(5807.09,2263.78)